# Altium PCB UAVPoS_V2_0.PcbDoc (part 3 of 3)
Units mm, origin at the board's own origin, x right, y up, seen from the top; angles counter-clockwise.
Board outline 222.6 x 240.1 mm, 2 copper layers (Top Layer, Bottom Layer); 196 components, 103 nets, 652 pads, 564 vias.
Unrouted connection lines stored in the file: 6.
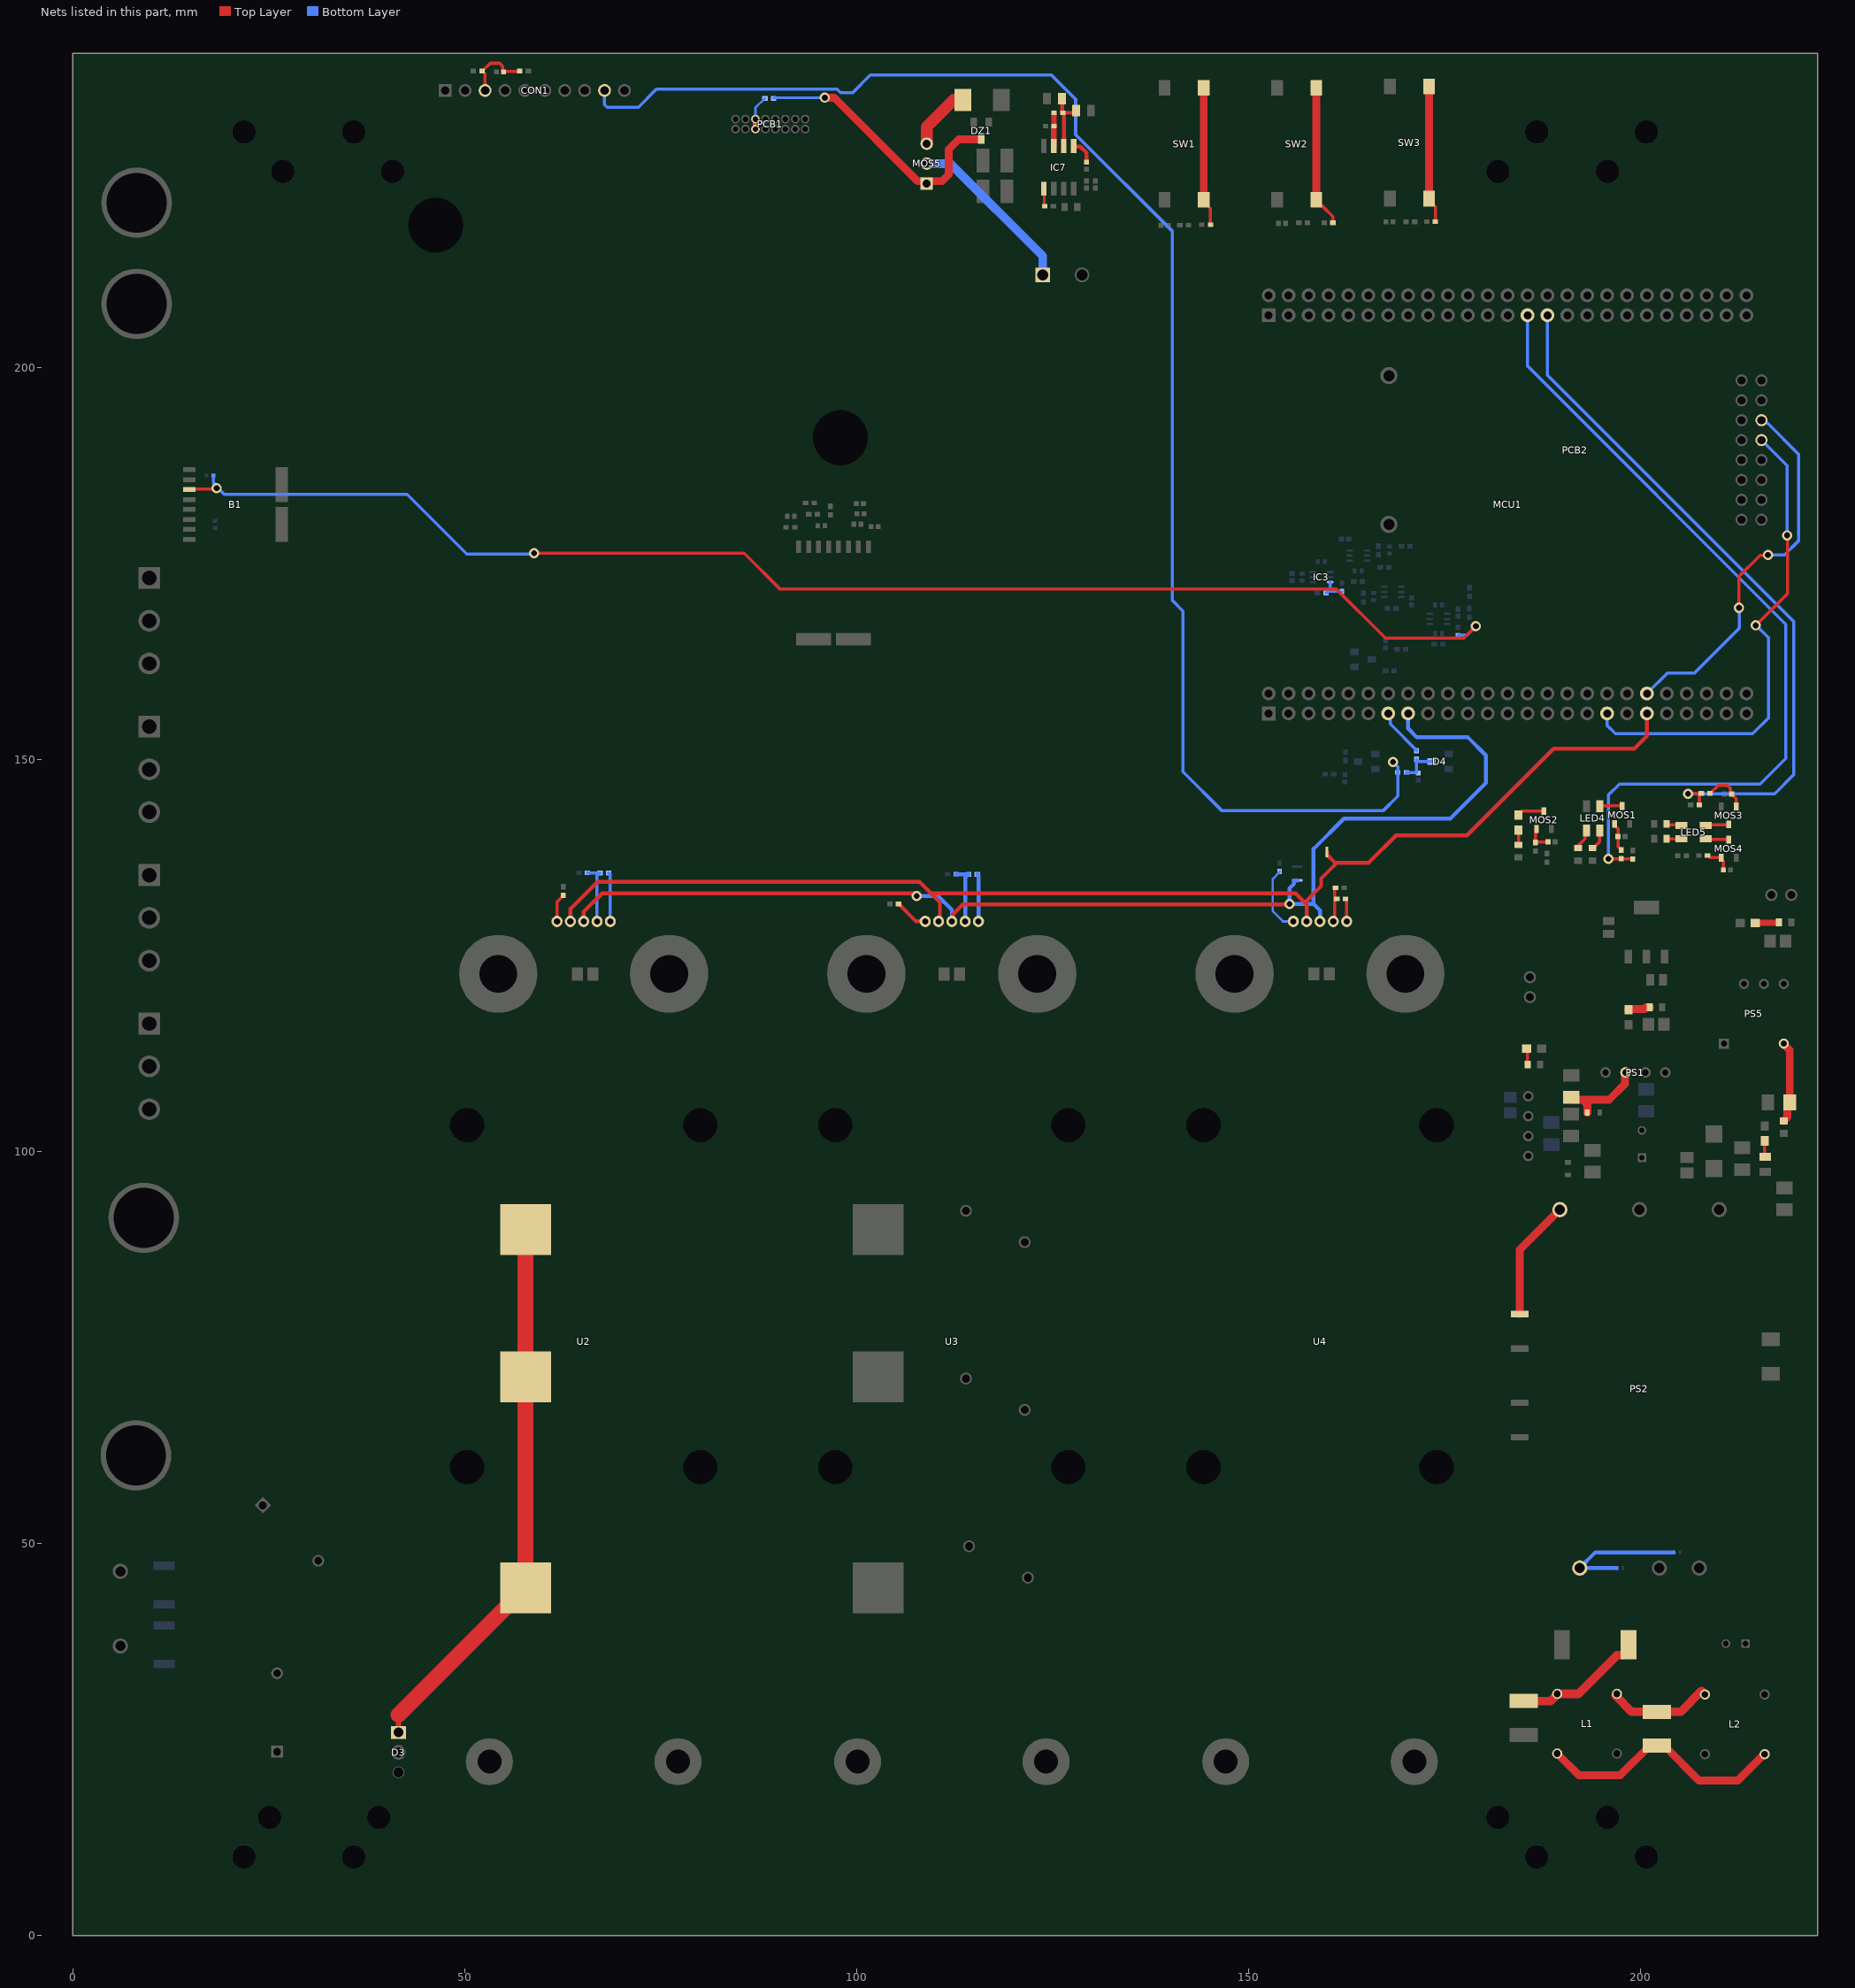
[diagram p3: the nets of this part, all layers, seen from the top]

## Via types
v1: diameter 1.3, hole 0.75, Top Layer to Bottom Layer, 563 vias
v2: diameter 1.27, hole 0.711, Top Layer to Bottom Layer, 1 vias

## Nets (pads, with @x,y where several pads share a name; then routed paths per layer and width w, separated by ;. In a path a pad name is that pad's centre, name@x,y a point inside that pad or via, vN(x,y) a via of type N, cw(c..) or ccw(c..) an arc to the next point about the centre after c; other vN are vias at no path point) (continued)
NetC36_1: C36.1 F4.2 L1.1 | length 16.9
  Top Layer w1.1: C36.1@185.067,29.85 188.497,29.85 L1.1@189.389,30.741 ; L1.1@189.355,30.775 192.05,30.775 196.975,35.7 198,35.7 198.45,36.15 F4.2@198.45,37.025
NetC37_1: C37.1 L1.2 L2.1 | length 32.4
  Top Layer w1: L1.2@189.355,23.155 192.11,20.4 197.4,20.4 201.175,24.175 C37.1@202.075,24.175 202.975,24.175 207.45,19.7 212.364,19.7 215.739,23.075 L2.1@215.82,23.075
NetC37_2: C37.2 L1.4 L2.3 | length 13
  Top Layer w1.1: L1.4@196.788,30.538 198.85,28.475 C37.2@202.1,28.475 ; C37.2@202.075,28.475 205.105,28.475 L2.3@207.783,31.153
NetC38_2: C38.2 PS2.6 | length 15.5
  Top Layer w1: C38.2@184.556,79.217 184.556,87.416 PS2.6@189.685,92.545
NetC42_1: C42.1 L4.2 PS1.2 | length 11.2
  Top Layer w1: C42.1@191.125,106.875 191.435,106.565 192.596,106.565 ; L4.2@193.182,104.934 193.182,105.979 192.596,106.565 ; PS1.2@198.056,110.05 197.989,109.983 197.989,108.589 195.965,106.565 192.596,106.565
NetC44_1: C44.1 IC7.1 | length 3.2
  Top Layer w0.5: IC7.1@127.653,228.231 127.709,228.175 128.5,228.175 129.3,227.375 C44.1@129.3,226.175
NetC52_1: C52.1 MOS1.1 R49.2 | length 3.7
  Top Layer w0.4: MOS1.1@196.678,141.75 196.678,141.55 197.1,141.128 C52.1@197.1,140.15 197.1,138.875 R49.2@197.55,138.425
NetC53_1: C53.1 MOS4.1 R54.2 | length 3.6
  Top Layer w0.4: R54.2@208.525,137.725 208.575,137.725 208.85,137.45 MOS4.1@210.281,137.45 210.281,137.25 210.55,136.981 C53.1@210.55,135.875
NetC54_1: C54.1 MOS3.1 R55.1 | length 5.8
  Top Layer w0.4: R55.1@208.825,145.648 208.875,145.648 209.902,146.675 211.041,146.675 211.479,146.237 211.479,145.682 C54.1@211.6,145.562 ; C54.1@211.6,145.562 211.605,145.562 212.181,144.986 MOS3.1@212.181,144
NetC55_1: C55.1 MOS2.1 R53.1 | length 3.4
  Top Layer w0.4: MOS2.1@186.7,141.1 186.6,141 186.6,140.35 186.575,140.325 R53.1@186.575,139.375 186.623,139.423 188.127,139.423 C55.1@188.175,139.471
NetC61_1: C61.1 L5.2 PS5.4 | length 10.5
  Top Layer w1: L5.2@218.25,103.875 218.715,104.34 218.715,105.915 C61.1@219.025,106.225 219.025,112.876 218.255,113.646 PS5.4@218.255,113.727
NetD3_1: D3.1 F1.1 F2.1 F3.1 | length 70.9
  Top Layer w0.7: D3.1@41.5,25.85 41.5,28.1
  Top Layer w2: 41.5,28.1 F3.1@57.7,44.3 57.7,66.85 F1.1@57.7,90
NetDZ1_1: DZ1.1 MOS5.1 R63.2 | length 35.2
  Top Layer w1: v1(95.9,234.4) 97.1,234.4 107.74,223.76 108.6,223.76 MOS5.1@108.9,223.46 109.2,223.76 110.86,223.76 111.7,224.6 111.7,227.8 113,229.1 DZ1.1@115.775,229.1
  Bottom Layer w0.3: R63.2@89.35,234.3 89.45,234.4 v1(95.9,234.4)
NetF8_2: F8.2 MOS5.3 | length 8.2
  Top Layer w1.5: MOS5.3@108.9,228.54 108.9,230.676 112.353,234.129 F8.2@113.5,234.129
NetIC3_3: IC3.3 R28.1 R30.1 | length 3.6
  Bottom Layer w0.3: R30.1@159.852,171.202 159.902,171.202 160.002,171.302 160.1,171.4 R28.1@161.877,171.4 ; 160.377,172.45 IC3.3@160.377,172.6
  Bottom Layer w0.4: R30.1@160.002,171.302 160.002,171.352 160.377,171.727 160.377,172.45
NetIC7_2: IC7.2 R56.1 R58.2 R59.2 | length 8
  Top Layer w0.5: R59.2@126.15,234.275 126.2,234.225 126.2,232.525 R58.2@126.25,232.475 R58.2@126.3,232.475 ; IC7.2@126.383,228.231 126.383,232.392 R58.2@126.3,232.475 ; R56.1@127.95,232.775 127.95,232.725 127.7,232.475 R58.2@126.3,232.475
NetIC7_3: IC7.3 R58.1 R60.2 | length 4.3
  Top Layer w0.7: IC7.3@125.113,228.231 125.113,230.738 R60.2@125.15,230.775 R58.1@125.15,232.475
NetIC7_5: IC7.5 R61.2 | length 2.3
  Top Layer w0.3: IC7.5@123.843,222.807 123.896,222.753 123.896,220.629 R61.2@123.95,220.575
NetLED1_2: LED1.2 R1.1 | length 2.9
  Top Layer w1: LED1.2@198.45,118.043 198.45,118.118 198.475,118.143 200.475,118.143 200.682,118.35 R1.1@201.15,118.35
NetLED2_2: LED2.2 R2.1 | length 2
  Top Layer w0.4: R2.1@215.825,99.325 LED2.2@215.825,101.325
NetLED3_2: LED3.2 R19.1 | length 2.2
  Top Layer w0.4: LED3.2@185.45,113.076 185.573,112.954 R19.1@185.573,111.048 R19.1@185.485,111.136
NetLED4_1: LED4.1 R43.1 | length 2.7
  Top Layer w0.4: R43.1@193.853,138.675 193.953,138.675 194.775,139.497 LED4.1@194.775,140.925
NetLED4_2: LED4.2 R44.1 | length 2.5
  Top Layer w0.4: R44.1@191.95,138.925 192.875,139.85 192.875,140.725 LED4.2@193.075,140.925
NetLED4_3: LED4.3 MOS1.3 | length 2.9
  Top Layer w0.4: LED4.3@194.775,144.025 194.8,144.05 MOS1.3@197.628,144.05
NetLED5_1: LED5.1 R45.1 | length 1.9
  Top Layer w0.4: R45.1@203.3,139.85 LED5.1@205.2,139.85
NetLED5_2: LED5.2 R46.1 | length 2
  Top Layer w0.4: R46.1@203.3,141.75 203.4,141.65 205.1,141.65 LED5.2@205.2,141.55
NetLED5_3: LED5.3 MOS4.3 | length 3
  Top Layer w0.4: LED5.3@208.3,139.85 208.35,139.8 211.181,139.8 MOS4.3@211.231,139.75
NetLED5_4: LED5.4 MOS3.3 | length 3
  Top Layer w0.4: LED5.4@208.3,141.55 208.375,141.625 211.156,141.625 MOS3.3@211.231,141.7
NetLED6_1: LED6.1 MOS2.3 | length 3.5
  Top Layer w0.4: LED6.1@184.4,142.875 184.4,142.95 184.85,143.4 MOS2.3@187.65,143.4
NetLED6_2: LED6.2 R47.1 | length 1.9
  Top Layer w0.4: R47.1@184.4,139.075 LED6.2@184.4,140.975
NetLED7_2: LED7.2 R70.1 | length 3.1
  Top Layer w0.8: LED7.2@214.6,129.125 214.638,129.163 217.625,129.163 R70.1@217.625,129.2
NetMOS5_2: MOS5.2 R62.1 | length 22.1
  Bottom Layer w1.1: MOS5.2@108.9,226 111.9,226 123.7,214.2 R62.1@123.7,211.8
NetPS2_3: PS2.3 R17.2 R18.1 | length 17.5
  Bottom Layer w0.5: R18.1@196.931,46.825 PS2.3@192.225,46.825 194.225,48.825 R17.2@204.225,48.825
NetR6_1: R6.1 R7.1 U2.8 | length 7.9
  Bottom Layer w0.4: R6.1@65.609,135.525 65.634,135.5 67.175,135.5 R7.1@67.2,135.475 ; U2.8@66.825,129.32 66.825,135.15 R7.1@67.15,135.475
NetR7_2: R7.2 U2.9 | length 6.3
  Bottom Layer w0.4: R7.2@68.3,135.475 68.35,135.475 68.525,135.3 U2.9@68.525,129.32
NetR8_1: R8.1 U2.5 | length 3.7
  Top Layer w0.4: U2.5@61.725,129.32 61.725,131.8 62.525,132.6 R8.1@62.525,132.65
NetR9_1: R9.1 R11.2 U3.8 | length 7.8
  Bottom Layer w0.5: R9.1@112.65,135.35 112.661,135.339 114.239,135.339 R11.2@114.25,135.327 114.2,135.327 113.8,134.927 U3.8@113.8,129.32
NetR10_1: R10.1 U3.5 | length 4.4
  Top Layer w0.5: R10.1@105.3,131.55 105.35,131.55 105.4,131.5 105.4,131.45 107.53,129.32 U3.5@108.7,129.32
NetR11_1: R11.1 U3.9 | length 6.1
  Bottom Layer w0.5: R11.1@115.35,135.327 115.4,135.327 115.5,135.227 U3.9@115.5,129.32
NetR12_1: R12.1 R14.2 U4.8 | length 4.4
  Top Layer w0.4: U4.8@160.775,129.32 160.95,129.495 160.95,133.504 R12.1@161.05,133.604
NetR13_1: R13.1 U4.5 | length 8.6
  Bottom Layer w0.3: R13.1@153.925,135.675 153.925,135.625 153.05,134.75 153.05,130.625 154.355,129.32 U4.5@155.675,129.32
NetR14_1: R14.1 U4.9 | length 3
  Top Layer w0.4: R14.1@162.325,132.2 162.375,132.2 162.475,132.1 U4.9@162.475,129.32
NetR64_2: R64.2 SW1.1 SW1.2 | length 3.5
  Top Layer w0.4: SW1.2@144.246,221.375 144.246,221.125 145.1,220.271 R64.2@145.1,218.2
NetR65_2: R65.2 SW2.1 SW2.2 | length 4
  Top Layer w0.4: SW2.2@158.6,221.375 158.6,221.125 159.15,220.575 159.4,220.575 160.725,219.25 R65.2@160.725,218.45
NetR66_2: R66.2 SW3.1 SW3.2 | length 3.3
  Top Layer w0.4: SW3.2@173,221.525 173,221.275 173.798,220.477 R66.2@173.798,218.602
Op_Mode: MCU1.77 R48.1 R49.1 | length 106
  Top Layer w0.4: v1(195.875,137.308) 195.883,137.317 197.491,137.317 R49.1@197.5,137.325 197.525,137.3 198.95,137.3 R48.1@198.975,137.275
  Bottom Layer w0.4: MCU1.77@185.555,206.65 185.555,200.195 218.525,167.225 218.525,150.125 215.246,146.846 197.271,146.846 195.875,145.45 v1(195.875,137.308)
Output_Pulse: PCB1.3 PCB1.11 R63.1 | length 5.7
  Top Layer w0.7: PCB1.3@87.039,230.4 PCB1.11@87.039,231.67
  Bottom Layer w0.3: PCB1.11@87.039,231.67 87.039,233.139 88.2,234.3 R63.1@88.25,234.3
  Bottom Layer w0.7: PCB1.3@87.039,230.4 PCB1.11@87.039,231.67
REF: B1.5 C21.1 R33.2 | length 176.9
  Top Layer w0.2: B1.5@15.005,184.405 B1.5@15.01,184.4
  Top Layer w0.4: B1.5@14.805,184.405 14.902,184.502 18.202,184.502 v1(18.3,184.6) ; v1(58.8,176.3) 85.6,176.3 90.2,171.7 161.166,171.7 167.425,165.441 177.416,165.441 v1(178.975,167)
  Bottom Layer w0.4: C21.1@17.9,186.2 17.9,185.244 18.468,184.676 18.468,184.6 19.268,183.8 42.6,183.8 50.2,176.2 v1@58.3,176.2 ; R33.2@176.703,165.75 176.703,165.772 176.803,165.872 177.847,165.872 v1(178.975,167)
Rx: MCU1.35 PCB2.4 | length 62.6
  Top Layer w0.4: v1(214.675,167.075) 218.714,171.114 218.714,178.536 v1(218.675,178.575)
  Bottom Layer w0.4: MCU1.35@195.715,155.85 195.715,154.31 196.775,153.25 214.275,153.25 216.3,155.275 216.3,165.5 v1@214.675,167.125 ; PCB2.4@215.407,190.725 218.675,187.457 v1(218.675,178.575)
SCL: MCU1.39 R68.2 U2.6 U3.6 U4.6 | length 162.2
  Top Layer w0.5: U2.6@63.425,129.32 63.425,130.9 66.9,134.375 107.975,134.375 109.475,132.875 ; U3.6@110.4,129.32 110.572,129.492 110.572,131.778 109.475,132.875 ; U4.6@157.375,129.32 157.375,131.475 157.125,131.725 ; R68.2@159.975,138.163 159.975,137.813 160.975,136.813 ; MCU1.39@200.795,155.85 200.795,152.97 199.175,151.35 188.875,151.35 177.825,140.3 168.775,140.3 165.288,136.813 160.975,136.813 ; 109.475,132.875 155.975,132.875 157.125,131.725 ; 157.125,131.725 159.225,133.825 159.225,134.775 160.975,136.525 160.975,136.813
SDA: MCU1.15 R67.2 U2.7 U3.7 U4.7 | length 154.5
  Top Layer w0.5: U2.7@65.125,129.32 65.125,130.55 67.475,132.9 107.275,132.9 v1@107.575,132.6 ; U3.7@112.1,129.32 112.259,129.479 112.259,130.234 113.5,131.475 155.132,131.475 v1(155.2,131.543)
  Bottom Layer w0.5: v1(107.6,132.568) 110.332,132.568 112.1,130.8 U3.7@112.1,129.32 ; R67.2@156.2,134.55 155.85,134.55 155.775,134.475 155.775,134.125 155.2,133.55 v1(155.2,131.543) 158.257,131.543 ; U4.7@159.075,129.32 159.075,130.725 158.257,131.543 ; MCU1.15@170.315,155.85 170.315,153.935 171.45,152.8 177.95,152.8 180.25,150.5 180.25,146.975 175.7,142.425 162.125,142.425 158.257,138.557 158.257,131.543
Sys_OK: MCU1.79 R51.1 R55.2 | length 89.3
  Top Layer w0.4: v1(206.05,145.608) 206.07,145.628 R55.2@207.655,145.628 ; R51.1@207.475,144.2 207.475,145.448 R55.2@207.655,145.628 ; R55.2@207.725,145.648 207.705,145.628 R55.2@207.655,145.628
  Bottom Layer w0.4: MCU1.79@188.095,206.65 188.095,199.005 219.5,167.6 219.5,148.025 217.083,145.608 v1(206.05,145.608)
Tx: MCU1.40 PCB2.3 | length 49.1
  Top Layer w0.4: v1(212.55,169.325) 212.55,173.35 215.225,176.025 v1@216.4,176.025
  Bottom Layer w0.4: MCU1.40@200.795,158.39 203.43,161.025 206.9,161.025 212.6,166.725 v1@212.6,169.3 ; PCB2.3@215.407,193.265 215.718,193.265 216.107,192.876 216.199,192.876 220.125,188.95 220.125,177.85 218.325,176.05 v1(216.225,176.05)
V_Bus: CON1.9 R37.1 | length 191.8
  Bottom Layer w0.4: CON1.9@67.785,235.325 67.785,233.515 68.1,233.2 72.1,233.2 74.404,235.504 97.445,235.504 97.899,235.05 99.45,235.05 101.7,237.3 124.8,237.3 127.9,234.2 127.9,229.7 140.254,217.346 140.254,170.259 141.6,168.913 141.6,148.4 146.575,143.425 167.125,143.425 169,145.3 R37.1@169,148.325 169,149.023 168.375,149.648 v1(168.375,149.673)
Vmes+: C27.1 CON1.3 R25.1 R27.2 | length 8.6
  Top Layer w0.4: R27.2@52.15,237.8 R27.2@52.2,237.8 ; CON1.3@52.545,235.325 52.545,237.455 R27.2@52.2,237.8 ; R25.1@56.9,237.75 54.95,237.75 C27.1@54.9,237.7 54.8,237.8 54.8,238.4 54.4,238.8 53.2,238.8 R27.2@52.2,237.8
Voltage_Bus: C32.1 D4.3 R37.2 R40.1 | length 5
  Bottom Layer w0.4: R37.2@170.1,148.325 170.138,148.288 171.35,148.288 171.4,148.338 R40.1@171.4,149.95 ; R40.1@171.4,150 R40.1@171.4,149.95 ; D4.3@173.3,149.7 171.65,149.7 R40.1@171.4,149.95
Voltage_Bus_prot: MCU1.13 R40.2 | length 6.3
  Bottom Layer w0.4: MCU1.13@167.775,155.85 168.039,155.586 168.039,154.511 171.4,151.15 R40.2@171.4,151.1
pads on no net: B1.8 B1.9 CON1.6 CON1.7 D3.3 DZ1.3 MCU1.6 MCU1.7 MCU1.8 MCU1.9 MCU1.10 MCU1.12 MCU1.16 MCU1.17 MCU1.18 MCU1.19 MCU1.20 MCU1.21 MCU1.22 MCU1.24 MCU1.25 MCU1.26 MCU1.27 MCU1.28 MCU1.29 MCU1.30 MCU1.31 MCU1.32 MCU1.33 MCU1.34 MCU1.36 MCU1.37 MCU1.38 MCU1.41 MCU1.42 MCU1.43 MCU1.44 MCU1.45 MCU1.46 MCU1.47 MCU1.48 MCU1.53 MCU1.54 MCU1.55 MCU1.56 MCU1.57 MCU1.58 MCU1.59 MCU1.60 MCU1.61 MCU1.62 MCU1.63 MCU1.64 MCU1.65 MCU1.66 MCU1.67 MCU1.68 MCU1.69 MCU1.70 MCU1.71 MCU1.73 MCU1.74 MCU1.76 MCU1.78 MCU1.80 MCU1.82 MCU1.83 MCU1.84 MCU1.86 MCU1.89 MCU1.90 MCU1.91 MCU1.92 MCU1.93 MCU1.94 MCU1.95 MCU1.96 MCU1.97 MCU1.98 PCB1.1 PCB1.4 PCB1.9 PCB1.12 PCB2. PCB2.1 PCB2.2 PCB2.5 PCB2.8 PCB2.9 PCB2.10 PCB2.11 PCB2.12 PCB2.13 PCB2.14 PCB2.15 PCB2.16 PCB3. PS5.7 U2. U3. U4.

## Polygon pours and split planes (outlines as drawn)
BCM_LO+ on Bottom Layer "NONET_L-01_P-001" (solid, pour order 171): 58.6,170.175 51.75,170.175 46.05,164.475 46.05,116.825 47.7,115.175 58.85,115.175 60.975,117.3 60.975,127.025 57.3,130.7 57.3,137.925 58.85,139.475 58.85,169.925
GND_48 on Bottom Layer "NONET_L-01_P-001" (solid, pour order 164): 71.525,129.35 71.525,138.375 61.075,149.771 61.075,189 110.025,189 129.8,169.225 129.8,144.7 137.7,136.8 145.475,136.8 145.475,129.85 144.925,129.3 140.55,129.3 138.7,127.45 138.7,114.45 141.825,111.325 157.075,111.325 162.825,117.075 162.825,126.55 165.85,129.575 177.475,129.575 177.475,88.3 171.45,82.275 79.025,82.275 68.775,92.525 68.775,126.6
48V_BUS on Bottom Layer "NONET_L-01_P-001" (solid, pour order 170): 15.25,213.45 22.7,213.45 56.1,180.05 56.1,179.3 55.35,178.55 47.45,178.55 42.2,183.8 24.9,183.8 23.875,184.825 23.875,188.3 21.25,190.925 9.975,190.925 9.65,190.6 9.65,179.825 2.35,179.825 1.85,180.325 1.85,211 4.225,213.375
48V_BUS on Bottom Layer "Bottom Layer-48V_BUS" (solid, pour order 169): 2.046,213.5 15.646,213.5 15.646,201.111 15.546,201.011 2.046,201.011
GND_48 on Bottom Layer "NONET_L-01_P-001" (solid, pour order 167): 62.3,230.75 82.35,230.75 84.15,228.95 84.15,228.725 64.15,228.725 64.075,228.8
BCM_LO+ on Bottom Layer "NONET_L-01_P-001" (solid, pour order 163): 140.95,129.775 151.55,129.775 155.075,126.25 155.075,116.775 154.225,115.925 140.95,115.925
BCM_LO+ on Bottom Layer "NONET_L-01_P-001" (solid, pour order 162): 47.3,129.825 57.9,129.825 60.95,126.775 60.95,117.3 59.15,115.5 47.3,115.5
GND_48 on Bottom Layer "NONET_L-01_P-001" (solid, pour order 161): 130.426,129.595 118.626,129.595 115.826,126.795 115.826,117.645 117.276,116.195 130.426,116.195
GND_48 on Bottom Layer "NONET_L-01_P-001" (solid, pour order 160): 177.526,129.37 165.726,129.37 162.926,126.57 162.926,117.42 164.376,115.97 177.526,115.97
48V_BUS on Bottom Layer "NONET_L-01_P-001" (solid, pour order 78): 133.947,183.45 114.4,183.45 114.4,161.75 115.75,160.4 133.825,160.4
48V_BUS on Bottom Layer "NONET_L-01_P-001" (solid, pour order 86): 127.625,213.85 127.625,198.25 129.5,196.375 133.825,196.375 133.825,217.25 132.725,218.35 131.875,218.35
GND on Bottom Layer "NONET_L-01_P-001" (solid, pour order 159): 13,188 13,178.6 13.9,177.7 20.4,177.7 21.4,178.7 21.4,187.9
GND on Bottom Layer "NONET_L-01_P-001" (solid, pour order 108): 88.35,183.987 88.35,174.487 90.65,172.187 105.05,172.187 105.05,183.487 104.45,184.087
GND on Bottom Layer "NONET_L-01_P-001" (solid, pour order 155): 137.7,225.9 174.5,225.9 176.2,224.2 176.2,222.4 179.8,218.8 198.5,218.8 203.7,224 219.7,224 219.8,223.9 219.8,204.8 218.5,203.5 151.9,203.5 141.9,213.5 141.9,217 137.8,221.1 137.7,221.1
48V_BUS on Bottom Layer "NONET_L-01_P-001" (solid, pour order 120): 132.4,219.4 132.4,211.4 130.9,209.9 127.6,209.9 127.6,218 129,219.4
GND_48 on Bottom Layer "NONET_L-01_P-001" (solid, remove dead copper, pour order 150): 1.4,215.5 1.4,238.225 55.475,238.225 64.2,229.5 100.1,229.5 120.05,209.55 123.975,209.55 129.875,203.65 129.875,165.75 128.725,164.6 75.75,164.6 24.85,215.5
GND_48 on Bottom Layer "NONET_L-01_P-001" (solid, remove dead copper, pour order 154): 87.9,225.9 94.9,225.9 107.4,238.4 127.5,238.4 132.7,233.2 132.7,213.5 87.949,213.5
GND on Bottom Layer "NONET_L-01_P-001" (solid, remove dead copper, pour order 148): 181.035,144.595 181.035,126.57 183.135,124.47 188.46,124.47 193.51,119.42 193.51,115.87 202.035,115.87 205.185,119.02 205.185,131.045 207.86,133.72 214.11,133.72 218.785,138.395 218.785,148.32 184.71,148.32 181.01,144.62
GND_48 on Bottom Layer "NONET_L-01_P-001" (solid, pour order 124): 189.9,102.9 190,103 190,105.331 181.931,105.331 181.9,105.3 181.3,105.9 181.3,108.979 185.021,112.7 187.5,112.7 188.4,113.6 188.4,115.4 187.8,116 175.7,116 175.7,105.5 178.2,103
GND_48 on Bottom Layer "NONET_L-01_P-001" (solid, pour order 151): 2,56 15,56 21,62 37,62 45,54 66,54 78,66 99,66 116,83 114,85 79,85 72,92 72,113 48,113 47,112 47,83 46.1,82.1 7.7,82.1 2,76.4
GND on Bottom Layer "NONET_L-01_P-001" (solid, remove dead copper, pour order 145): 62.107,136.932 61.5,136.325 61.5,131.325 183.65,131.325 183.825,131.5 183.825,133.825 180.718,136.932 177.183,136.932
GND on Bottom Layer "NONET_L-01_P-001" (solid, remove dead copper, pour order 143): 141.8,213.652 141.8,145.275 219.9,145.275 219.9,213.806
GND_48 on Bottom Layer "Bottom Layer-GND_48 1" (solid, pour order 142): 69.959,126.418 71.541,128 81.044,128 81.825,127.219 81.825,117.25 69.619,117.25
BCM1+ on Bottom Layer "Bottom Layer-BCM1+" (solid, pour order 129): 47.575,26.675 60.1,26.675 60.125,26.7 60.5,26.325 60.5,17.475 47.5,17.475 47.45,17.525 47.575,17.65
GND_800V on Bottom Layer "Bottom Layer-GND_800V" (solid, pour order 128): 70.025,30.9 70.15,30.775 176.65,30.775 176.65,7.9 175.45,6.7 174.85,7.3 70.4,7.3 70.4,30.35 70.775,30.725
GND_FANS on Bottom Layer "Bottom Layer-No Net" (solid, pour order 127): 221.025,115.3 221.025,23.225 216.025,18.225 182.625,18.225 177.825,23.025 178.025,23.225 178.025,114.825 179.125,114.825 179.6,115.3
+BAT48 on Bottom Layer "Bottom Layer-+BAT48" (solid, remove dead copper, pour order 126): 1,177.2 44,177.2 44,86 1,86
GND_48 on Top Layer "NONET_L-01_P-001" (solid, remove dead copper, pour order 168): 1.371,238.35 40.325,238.35 47.725,230.95 78.025,230.95 84.1,224.875 99.75,224.875 110.925,213.7 45.875,213.7 41.575,218 39.1,215.525 1.479,215.525
GND_48 on Top Layer "NONET_L-01_P-001" (solid, pour order 166): 83.401,129.42 71.601,129.42 68.801,126.62 68.801,117.47 70.251,116.02 83.401,116.02
GND_48 on Top Layer "NONET_L-01_P-001" (solid, pour order 158): 177.451,129.32 165.651,129.32 162.851,126.52 162.851,117.37 164.301,115.92 177.451,115.92
GND_48 on Top Layer "NONET_L-01_P-001" (solid, pour order 157): 130.525,129.475 118.725,129.475 115.925,126.675 115.925,117.525 117.375,116.075 130.525,116.075
BCM_LO+ on Top Layer "NONET_L-01_P-001" (solid, pour order 156): 158.45,93.825 152.625,88 127.725,88 116.575,99.15 99.05,99.15 93.775,99.15 84.1,89.475 72.675,89.475 63.225,98.925 56.4,98.925 54.85,100.475 54.85,105.425 51.725,108.55 45.475,108.55 43.85,110.175 43.85,135.15 47.8,139.1 58.7,139.1 58.95,138.85 58.95,128.7 61.275,126.375 65,126.375 65.075,126.3 65.075,117.6 69.175,113.5 85.4,113.5 86.65,114.75 86.575,114.825 86.575,127 89.525,129.95 104.55,129.95 108.75,125.75 111.7,125.75 111.775,125.675 111.775,118.55 114.85,115.475 134.75,115.475 139.375,120.1 139.375,129.95 152.475,129.95 156.275,126.15 156.35,126.225 158.45,126.225
GND on Top Layer "NONET_L-01_P-001" (solid, pour order 153): 137.9,149.9 137.9,135.8 138.6,135.1 152.5,135.1 154.1,136.7 151.7,139.1 149,141.8 149,149.9
GND on Top Layer "NONET_L-01_P-001" (solid, pour order 152): 12.978,188.047 12.978,178.647 13.878,177.747 20.378,177.747 21.378,178.747 21.378,187.947
GND on Top Layer "NONET_L-01_P-001" (solid, pour order 26): 88.3,184 88.3,174.5 90.6,172.2 105,172.2 105,183.5 104.4,184.1
48V_BUS on Top Layer "NONET_L-01_P-001" (solid, pour order 149): 114.2,227.8 114.2,217.5 116.6,215.1 124.9,215.1 127.3,212.7 127.3,209.8 130.7,209.8 132.5,211.6 132.5,215.4 131,216.9 120.9,216.9 117,220.8 116.9,220.8 116.9,227.8
48V_BUS on Top Layer "NONET_L-01_P-001" (solid, pour order 147): 129.3,233.8 129.3,229.4 132.1,226.6 132.1,220.6 131.2,219.7 131.2,218.6 131.4,218.4 132.3,218.4 132.3,220.4 132.9,221 132.9,232.4 131.5,233.8
GND_48 on Top Layer "NONET_L-01_P-001" (solid, pour order 146): 116.6,235.5 116.6,231.9 118.3,230.2 118.3,220.9 120.3,218.9 122.8,218.9 122.8,223.8 123.8,224.8 126.4,224.8 126.6,225 126.6,225.8 126.2,226.2 123.9,226.2 123,227.1 122.9,227.1 122.9,235.5
BCM_LO+ on Top Layer "NONET_L-01_P-001" (solid, pour order 144): 44,113.9 44,162.3 52,170.3 81.6,170.3 84.9,167 84.5,166.6 84.5,143.7 65.7,143.7 59.3,137.3 59.3,113.8
GND_48 on Top Layer "NONET_L-01_P-001" (solid, remove dead copper, pour order 34): 2,56 2,76 8,82 48,82 48,56 46,54 45,54 37,62 21,62 15,56
48V_BUS on Top Layer "NONET_L-01_P-001" (solid, pour order 141): 10.1,179.3 10,179.4 1.6,179.4 1.6,197.5 3.3,199.2 10,199.2
Diode_Cathode on Top Layer "NONET_L-01_P-001" (solid, pour order 137): 23.3,182.1 23.3,177 17.4,171.1 43.5,171.1 43.5,178.6 40,182.1
48V_BUS on Top Layer "NONET_L-01_P-001" (solid, pour order 136): 17.6,193.6 23.1,188.1 23.1,183.2 46.1,183.2 49,186.1 49,193.7
48V_BUS on Top Layer "NONET_L-01_P-001" (solid, pour order 135): 1.6,213.5 38.5,213.5 45,207 45,193.9 41,189.9 6,189.9 1.6,194.3
48V_BUS on Top Layer "NONET_L-01_P-001" (solid, pour order 133): 97.4,168 97.4,141 100.2,138.2 127.4,138.2 133.9,144.7 133.9,206.7 131,209.6 98.3,209.6 29.1,209.6 29.1,196.1 47.1,178.1 85.5,178.1 92.2,184.8 110.3,184.8 110.3,184.5 114.9,179.9 114.9,174 109.3,168.4 97.9,168.4
BCM_LO+ on Top Layer "NONET_L-01_P-001" (solid, pour order 132): 55.8,167.9 96.6,167.9 96.6,141 93.8,138.2 55.8,138.2
GND on Top Layer "NONET_L-01_P-001" (solid, pour order 131): 62.102,136.94 61.495,136.333 61.495,131.333 183.645,131.333 183.82,131.508 183.82,135.53 182.41,136.94 177.178,136.94
GND_FANS on Top Layer "NONET_L-01_P-001" (solid, pour order 130): 184.925,121.5 184.975,121.45 187.125,121.45 188.15,120.425 188.15,114.425 188.6,113.975 191.775,113.975 191.775,117.75 191.75,117.775 191.75,120.05 188.075,123.725 184.875,123.725
+3V3 on Top Layer "NONET_L-01_P-001" (solid, pour order 123): 197.45,132.25 197.425,132.275 193.75,132.275 193.75,128.775 194.05,128.475 200.35,128.475
GND on Top Layer "NONET_L-01_P-001" (solid, remove dead copper, pour order 122): 137.825,224.244 137.825,149.825 219.9,149.825 219.9,224.406
GND on Top Layer "NONET_L-01_P-001" (solid, remove dead copper, pour order 125): 181.025,144.6 181.025,126.575 183.125,124.475 188.45,124.475 193.5,119.425 193.5,115.875 202.025,115.875 205.175,119.025 205.175,131.05 207.85,133.725 214.1,133.725 218.775,138.4 218.775,150.6 186.975,150.6 181,144.625
GND_FANS on Top Layer "NONET_L-01_P-001" (solid, pour order 121): 217.625,133.75 217.65,133.725 217.65,130.9 213.675,130.9 213.3,130.525 213.3,128.25 213.9,127.65 217.125,127.65 217.125,126.175 216.375,125.425 216.375,113.375 216.05,113.05 208.075,113.05 207.925,112.9 207.925,127.675 212.675,132.425 214.4,132.425 215.725,133.75
+5 on Top Layer "NONET_L-01_P-001" (solid, pour order 119): 202.575,135.222 202.575,133.2 209.15,133.2 209.225,133.275 209.225,135.177
+3V3 on Top Layer "NONET_L-01_P-001" (solid, pour order 118): 197.125,132.25 197.125,130.95 200.05,128.025 200.05,123.725 201.375,123.725 201.4,123.7 201.4,127.95 204.3,130.85 204.3,132.25
GND on Top Layer "NONET_L-01_P-001" (solid, pour order 117): 194.825,128.3 194.825,115.95 199.725,111.05 199.725,109.375 201.275,109.375 201.3,109.4 201.3,116.55 200.9,116.95 200,116.95 199.85,116.8 197.75,116.8 197.75,117.075 197.3,117.525 197.3,119.6 197.85,120.15 201.35,120.15 201.75,120.55 201.75,122.525 201.45,122.825 199.85,122.825 199.108,123.567 199.108,126.217 197.05,128.275
GND_FANS on Top Layer "Top Layer-No Net 1" (solid, pour order 56): 179.125,114.825 221.025,114.825 221.025,23.225 216.025,18.225 182.625,18.225 177.825,23.025 178.025,23.225 178.025,114.825
GND on Top Layer "Top Layer-GND 5" (solid, pour order 116): 14,185.451 14,187.2 15.6,187.2 15.6,185.4
no net on Top Layer "Top Layer-No Net 5" (solid, pour order 115): 63.6,188.055 63.6,188.253 63.675,188.328
GND on Top Layer "Top Layer-GND 4" (solid, remove dead copper, pour order 46): 63.8,188.6 62.75,188.6 62.25,188.1 61.15,188.1 61.15,185.93 61.25,185.83 62.751,185.83 62.751,187.939 63.8,187.939
GND_48 on Top Layer "Top Layer-GND_48" (solid, pour order 54): 69.959,126.418 71.541,128 81.044,128 81.825,127.219 81.825,117.25 69.619,117.25
GND_48 on Top Layer "Top Layer-GND_48 2" (solid, pour order 110): 116.934,126.418 118.516,128 128.019,128 128.8,127.219 128.8,117.25 116.594,117.25
GND_48 on Top Layer "Top Layer-GND_48 3" (solid, pour order 96): 2.25,226 14.5,226 14.5,217.046 14.546,217 2.25,217
BCM2+ on Top Layer "Top Layer-BCM2+ 1" (solid, pour order 82): 111.75,74.25 116.25,74.25 116.25,68.75 112,68.75 111.75,68.5
BCM3+ on Top Layer "Top Layer-BCM3+" (solid, pour order 80): 141.5,26.85 154.025,26.85 154.05,26.875 154.425,26.5 154.425,17.65 141.425,17.65 141.375,17.7 141.5,17.825
BCM2+ on Top Layer "Top Layer-BCM2+" (solid, pour order 70): 94.35,26.85 106.9,26.85 107.275,26.475 107.275,17.625 94.275,17.625 94.225,17.675 94.35,17.8
BCM1+ on Top Layer "Top Layer-BCM1+" (solid, pour order 68): 47.575,26.675 60.1,26.675 60.125,26.7 60.5,26.325 60.5,17.475 47.5,17.475 47.45,17.525 47.575,17.65
GND_800V on Top Layer "Top Layer-GND_800V" (solid, pour order 66): 164.325,26.675 176.85,26.675 176.875,26.7 177.25,26.325 177.25,17.475 164.25,17.475 164.2,17.525 164.325,17.65
GND_800V on Top Layer "Top Layer-GND_800V 1" (solid, pour order 64): 117.575,26.7 130.1,26.7 130.125,26.725 130.5,26.35 130.5,17.5 117.5,17.5 117.45,17.55 117.575,17.675
GND_800V on Top Layer "Top Layer-GND_800V 2" (solid, pour order 62): 70.425,26.6 82.95,26.6 82.975,26.625 83.35,26.25 83.35,17.4 70.35,17.4 70.3,17.45 70.425,17.575
Diode_Cathode on Top Layer "Top Layer-No Net 3" (solid, remove dead copper, pour order 58): 2.2,176.3 40.5,176.3 40.6,176.2 40.6,103 2.2,103
no net on Top Solder "NONET_L-01_P-001" (solid): 83.402,129.42 71.602,129.42 68.802,126.62 68.802,117.47 70.252,116.02 83.402,116.02
no net on Top Solder "NONET_L-01_P-001" (solid): 93.922,129.581 104.597,129.581 107.947,126.231 107.947,117.831 106.172,116.056 93.922,116.056
no net on Top Solder "NONET_L-01_P-001" (solid): 140.952,129.764 151.552,129.764 155.077,126.239 155.077,116.764 154.227,115.914 140.952,115.914
no net on Top Solder "NONET_L-01_P-001" (solid): 47.3,129.912 57.9,129.912 60.95,126.862 60.95,117.387 59.15,115.587 47.3,115.587
no net on Top Solder "NONET_L-01_P-001" (solid): 130.551,129.62 118.751,129.62 115.951,126.82 115.951,117.67 117.401,116.22 130.551,116.22
no net on Top Solder "NONET_L-01_P-001" (solid): 177.5,129.325 165.7,129.325 162.9,126.525 162.9,117.375 164.35,115.925 177.5,115.925
no net on Top Solder "NONET_L-01_P-001" (solid): 83.4,129.425 71.6,129.425 68.8,126.625 68.8,117.475 70.25,116.025 83.4,116.025
no net on Top Solder "NONET_L-01_P-001" (solid): 1.8,56 1.8,76 7.9,82.1 47.8,82.1 48,81.9 48,56 46,54 45,54 36.8,62.2 21.2,62.2 15,56
no net on Top Solder "NONET_L-01_P-001" (solid): 2.4,176.3 24.2,176.3 25.9,178 25.9,182.1 40,182.1 43.3,178.8 43.3,171 41,171 40.5,170.5 40.5,103.3 40.3,103.1 2.5,103.1 2.4,103.2
48V_BUS on Top Solder "Bottom Layer-+BAT48" (solid, remove dead copper, pour order 139): 1.043,177.212 44.043,177.212 44.043,86.012 1.043,86.012
no net on Top Solder "Top Layer-No Net 3" (solid, remove dead copper, pour order 140): 2.233,176.285 40.533,176.285 40.633,176.185 40.633,102.985 2.233,102.985
no net on Top Solder "NONET_L-01_P-001" (solid): 96.6,166.1 96.6,141.2 93.7,138.3 50.1,138.3 50.1,167.8 90.5,167.8 92.2,166.1
no net on Top Solder "NONET_L-01_P-001" (solid): 1.5,213.45 38.35,213.45 42.2,209.6 131.1,209.6 133.9,206.8 133.9,144.8 127.5,138.4 100.4,138.4 97.5,141.3 97.5,165.2 98.2,165.9 106.7,165.9 115.1,174.3 115.1,179.9 109.9,185.1 92.2,185.1 85.1,178 47.6,178 42,183.6 27,183.6 25.8,184.8 25.8,187.3 23,190.1 1.5,190.1
no net on Top Solder (solid): 1.9,213.45 15.5,213.45 15.5,201.1 15.4,201 1.9,201
no net on Top Solder (solid): 1.532,228.2 15.932,228.2 16.032,228.3 16.032,215.5 1.532,215.5 1.432,215.6 1.432,228.3
no net on Top Solder (solid): 107.092,126.991 106.925,116.7 94.792,116.7 94.792,126.791 94.992,126.991
no net on Top Solder (solid): 176,28.3 176,16.1 175.9,16 166.1,16 166.1,28.1 166.3,28.3
no net on Top Solder (solid): 152.1,28.6 152.1,16.4 152,16.3 142.2,16.3 142.2,28.4 142.4,28.6
no net on Top Solder (solid): 129.15,28.5 129.15,16.3 129.05,16.2 119.25,16.2 119.25,28.3 119.45,28.5
no net on Top Solder (solid): 57.8,28 57.8,15.8 57.7,15.7 47.9,15.7 47.9,27.8 48.1,28
GND_800V on Top Solder (solid): 105.05,28.4 105.05,16.2 104.95,16.1 95.15,16.1 95.15,28.2 95.35,28.4
BCM1+ on Top Solder (solid): 81.85,28.3 81.85,16.1 81.75,16 71.95,16 71.95,28.1 72.15,28.3
no net on Bottom Solder "NONET_L-01_P-001" (solid, pour order 173): 57.9,170.175 57.9,140.125 55.975,138.2 55.975,134.3 56.075,134.2 46.7,134.2 46.425,134.475 46.425,164.25 52.35,170.175
no net on Bottom Solder "NONET_L-01_P-001" (solid, pour order 172): 62.9,170.175 62.9,149.5 73.525,138.875 93.175,138.875 93.175,170.025 93.325,170.175
no net on Bottom Solder "NONET_L-01_P-001" (solid): 80.375,171.725 80.475,171.825 109.325,171.825 112.75,168.4 112.75,157.525 117.5,152.775 129.475,152.775 129.475,140.35 127.175,138.05 80.675,138.05 80.375,138.35
no net on Bottom Solder "NONET_L-01_P-001" (solid): 84.3,185.35 110.45,185.35 112.65,187.55 127.65,187.55 127.65,196.95 120.225,196.95 114.475,202.7 114.475,209.4 95.125,228.75 85.825,228.75 84,226.925
no net on Bottom Solder "NONET_L-01_P-001" (solid): 71.175,137.425 71.175,137.85 76.85,143.525 76.85,163.625 24.225,216.25 15.325,216.25 15.325,237.625 15.75,238.05 47.7,238.05 57.025,228.725 94.3,228.725 102.125,220.9 102.125,198.85 81.275,178 81.275,137.6
no net on Bottom Solder "NONET_L-01_P-001" (solid): 177.55,129.375 165.75,129.375 162.95,126.575 162.95,117.425 164.4,115.975 177.55,115.975
no net on Bottom Solder "NONET_L-01_P-001" (solid): 130.6,129.75 118.8,129.75 116,126.95 116,117.8 117.45,116.35 130.6,116.35
no net on Bottom Solder "NONET_L-01_P-001" (solid): 130.55,129.425 118.75,129.425 115.95,126.625 115.95,117.475 117.4,116.025 130.55,116.025
no net on Bottom Solder "NONET_L-01_P-001" (solid): 83.5,129.325 71.7,129.325 68.9,126.525 68.9,117.375 70.35,115.925 83.5,115.925
no net on Bottom Solder "NONET_L-01_P-001" (solid): 1.7,56 1.7,75.5 8.1,81.9 38.1,81.9 38.2,81.8 38.2,65.2 35.2,62.2 35,62.4 20.7,62.4 14.3,56
no net on Bottom Solder "NONET_L-01_P-001" (solid): 0.9,85.7 43.8,85.7 43.8,177 43.7,177.1 1.6,177.1 1.3,176.8
48V_BUS on Bottom Solder (solid): 1.9,213.55 15.5,213.55 15.5,201.1 15.4,201 1.9,201
GND_48 on Bottom Solder (solid): 1.632,228.3 16.032,228.3 16.132,228.4 16.132,215.6 1.632,215.6 1.532,215.7 1.532,228.4
BCM_LO+ on Bottom Solder (solid): 176.3,128.55 176.1,116.25 173.8,116.25 164,116.25 164,128.35 164.2,128.55
GND_48 on Bottom Solder (solid): 59.9,128 59.7,115.7 57.4,115.7 47.6,115.7 47.6,127.8 47.8,128
GND_48 on Bottom Solder (solid): 107.092,126.991 106.921,116.5 94.792,116.5 94.792,126.791 94.992,126.991
no net on Bottom Solder (solid): 154.1,127.4 153.926,116.675 141.8,116.675 141.8,127.2 142,127.4
BCM3+ on Bottom Solder (solid): 175.9,28.5 175.9,16.3 175.8,16.2 166,16.2 166,28.3 166.2,28.5
GND_800V on Bottom Solder (solid): 152.1,28.6 152.1,16.4 152,16.3 142.2,16.3 142.2,28.4 142.4,28.6
BCM2+ on Bottom Solder (solid): 129.15,28.5 129.15,16.3 129.05,16.2 119.25,16.2 119.25,28.3 119.45,28.5
no net on Bottom Solder (solid): 105.05,28.4 105.05,16.2 104.95,16.1 95.15,16.1 95.15,28.2 95.35,28.4
no net on Bottom Solder (solid): 81.85,28.3 81.85,16.1 81.75,16 71.95,16 71.95,28.1 72.15,28.3
GND_800V on Bottom Solder (solid): 57.8,28 57.8,15.8 57.7,15.7 47.9,15.7 47.9,27.8 48.1,28

## Keep-outs
Top Layer:
  circle w0.254: c9,91.5 r6.263
  circle w0.254: c173.95,59.7 r2.844
  circle w0.254: c173.95,103.325 r2.844
  circle w0.254: c144.2,103.325 r2.844
  circle w0.254: c144.2,59.7 r2.844
  circle w0.254: c126.975,59.7 r2.844
  circle w0.254: c126.975,103.325 r2.844
  circle w0.254: c97.225,59.7 r2.844
  circle w0.254: c97.225,103.325 r2.844
  circle w0.254: c80,103.325 r2.844
  circle w0.254: c80,59.7 r2.844
  circle w0.254: c50.25,59.7 r2.844
  circle w0.254: c50.25,103.325 r2.844
  circle w0.254: c40.752,225 r2.579
  circle w0.254: c35.752,230 r2.579
  circle w0.254: c26.752,225 r2.579
  circle w0.254: c21.752,230 r2.579
  circle w0.254: c200.752,10 r2.579
  circle w0.254: c186.752,10 r2.579
  circle w0.254: c195.752,15 r2.579
  circle w0.254: c181.752,15 r2.579
  circle w0.254: c25.052,15 r2.579
  circle w0.254: c35.752,10 r2.579
  circle w0.254: c39,15 r2.579
  circle w0.254: c39,15 r2.579
  circle w0.254: c21.752,10 r2.579
  circle w0.254: c25.052,15 r2.579
  lines w0.1: 179.8,167.5 180.2,167.5 ; 204.6,131.1 205.225,131.075
Bottom Layer:
  circle w0.254: c173.95,103.325 r2.811
  circle w0.254: c144.2,103.325 r2.811
  circle w0.254: c173.95,59.7 r2.811
  circle w0.254: c144.2,59.7 r2.811
  circle w0.254: c126.975,59.7 r2.811
  circle w0.254: c97.225,59.7 r2.811
  circle w0.254: c126.975,103.325 r2.811
  circle w0.254: c97.225,103.325 r2.811
  circle w0.254: c80,103.325 r2.811
  circle w0.254: c80,59.7 r2.811
  circle w0.254: c50.25,59.7 r2.811
  circle w0.254: c50.25,103.325 r2.811
  circle w0.254: c40.752,225 r2.608
  circle w0.254: c35.752,230 r2.608
  circle w0.254: c26.752,225 r2.608
  circle w0.254: c21.752,230 r2.608
  circle w0.254: c25.052,15 r2.608
  circle w0.254: c21.752,10 r2.608
  circle w0.254: c35.752,10 r2.608
  circle w0.254: c39,15 r2.608
  circle w0.254: c181.752,15 r2.608
  circle w0.254: c186.752,10 r2.608
  circle w0.254: c195.752,15 r2.608
  circle w0.254: c200.752,10 r2.608
  region: 93.925,129 93.925,115.925 94.075,115.775 107.9,115.775 107.9,128.725 107.625,129
  lines w0.1: 70.225,130.75 70.225,138.35 ; 99.95,137.625 100.025,131.05 ; 116.025,137.9 116.225,130.825 ; 124.1,236.699 124.2,226.8 125.9,226.7 126,225 125.8,217 124.523,215.085 ; 147.875,130.625 147.875,138.7 ; 158.75,174.275 159.6,174.275 ; 159.625,172.825 159.625,173.55 ; 163.61,177.075 164.21,177.05 ; 164.25,175.66 164.275,176.26 ; 168,171.1 168.025,171.7 ; 177,130.9 177,137.3 ; 180.075,130.6 180.075,137.3 ; 214.875,191.65 214.9,192.35
Keep-Out Layer:
  circle w0.254: c181.727,225.05 r5
  circle w0.254: c186.702,230.05 r5
  circle w0.254: c200.752,230.05 r5
  circle w0.254: c195.752,225 r5

## Silkscreen, mask and mechanical layers (free items; w line width, h text height)
Top Overlay:
  text "OK" at 164.175,237.45 h1.52 r180
  text "Left" at 151.45,237.325 h1.52 r180
  text "Right" at 182.025,237.075 h1.52 r180
  text "GND_48" at 4.2,227.4 h1.52
  text "72" at 219.974,215.6 h15 r90
  text "48V Bus" at 3.8,200.9 h1.52
  text "GND" at 210.325,131.7 h1.52
  text "+9V" at 221.875,126.575 h1.52 r90
  text "BAT++" at 16.416,90.915 h1.52
  text "BAT--" at 3.966,70.19 h1.52
  text "GND_800" at 3.8,52.6 h1.52
  text "+800V" at 6.4,27.3 h1.52
  text "PREDATE PROJECT OnBoard V2" at 142.6,7 h1.52
  text "H" at 2.75,5.646 h15
  text "2023" at 142.3,4.7 h1.52
Top Solder:
  region: 164.025,26.8 177.6,26.8 177.6,17.175 177.7,17.075 177.6,16.975 164.025,16.975
  region: 141.175,27.025 154.775,27.025 155.025,26.775 155.025,17.175 141.3,17.175 140.875,17.6
  region: 117.1,26.95 130.55,26.95 131.125,26.375 130.975,26.225 130.975,16.975 117.275,16.975 117.1,17.15
  region: 94.175,26.9 107.65,26.9 107.875,26.675 107.875,17.475 94.45,17.475
  region: 69.95,26.725 70.025,26.8 83.725,26.8 83.725,17.1 83.525,16.9 83.45,16.975 70.05,16.975 70.05,26.45 69.775,26.725
  region: 47.45,26.85 60.65,26.85 60.65,16.95 60.7,16.9 60.65,16.85 47.2,16.85
Bottom Solder:
  region: 164.175,26.75 177.425,26.75 177.55,26.875 177.65,26.775 177.65,17.425 164.1,17.425 163.975,17.55
  region: 117.55,26.85 117.65,26.75 130.45,26.75 130.45,17.675 130.075,17.3 129.9,17.475 117.45,17.475
  region: 69.975,26.625 83.7,26.625 83.8,26.525 83.8,17.525 70.2,17.525 70.075,17.4
  region: 47.575,26.925 47.625,26.875 60.725,26.875 60.725,17.4 60.675,17.45 47.35,17.45 47.35,26.75 47.525,26.925
Board:
  lines w0.1: 3.548,227.772 4.564,227.772 ; 13.648,27.172 14.664,27.172 ; 15.064,29.972 44.655,29.972 ; 0,0 0,240 15.748,240 206.756,240 222.55,240 222.55,0 206.756,0 15.748,0 0,0
Mechanical 20:
  text "*. Product Type: Industrial/Consumer Electronics" at 244.875,177.407 h8
  text "*. PCB Thickness: 2mm" at 245.375,169.637 h8
  text "*. PCB Color: Green" at 246.025,161.4 h8
  text "*. Silkscreen: White" at 246.025,152.925 h8
  text "*. Delivery Format: Single PCB" at 245.825,144.557 h8
  text "*. Surface Finish: ENIG" at 246.125,136.162 h8
  text "*. PCB Thickness: 2mm" at 246.025,128.687 h8
  text "*. Outer Copper Weight: 2oz" at 245.775,120.77 h8
  text "*. Via Covering: Untented" at 245.875,113.557 h8
  text "*. Board Outline Tolerance: +-0.2mm" at 245.75,105.325 h8
  text "*. Confirm Production File: NO" at 245.525,97.762 h8
  text "*. Remove Order Number: Yes" at 245.75,89.8 h8
  text "*. Flying Probe Test: Fully Test" at 245.85,82.007 h8
  text "*. Gold Fingers: No" at 246.1,73.982 h8
  text "*. Castellated Holes: No" at 246.275,65.662 h8

## Dimensions
0,0 to 222.55,0 on Board
222.504,-0.05 to 222.575,240.05 on Board

## Text inside footprints (layer, text, board x,y; h text height)
MOS5: Top Overlay "3" at 113.425,228.04 h1.5 r90; Top Overlay "2" at 113.425,225.5 h1.5 r90; Top Overlay "1" at 113.425,223.21 h1.5 r90
U2: Top Overlay "+LO" at 54.474,135.585 h1.52 r90; Top Overlay "+HI" at 53.458,10.363 h1.52 r90; Top Overlay "-LO" at 77.296,135.254 h1.52 r90; Top Overlay "-HI" at 77.516,10.363 h1.52 r90
U3: Top Overlay "+LO" at 101.449,135.585 h1.52 r90; Top Overlay "+HI" at 100.433,10.363 h1.52 r90; Top Overlay "-LO" at 124.271,135.254 h1.52 r90; Top Overlay "-HI" at 124.491,10.363 h1.52 r90
U4: Top Overlay "+LO" at 148.424,135.585 h1.52 r90; Top Overlay "+HI" at 147.408,10.363 h1.52 r90; Top Overlay "-LO" at 171.246,135.254 h1.52 r90; Top Overlay "-HI" at 171.466,10.363 h1.52 r90